# Altium PCB allaki_mezzanine.PcbDoc (part 2 of 3) (continued)
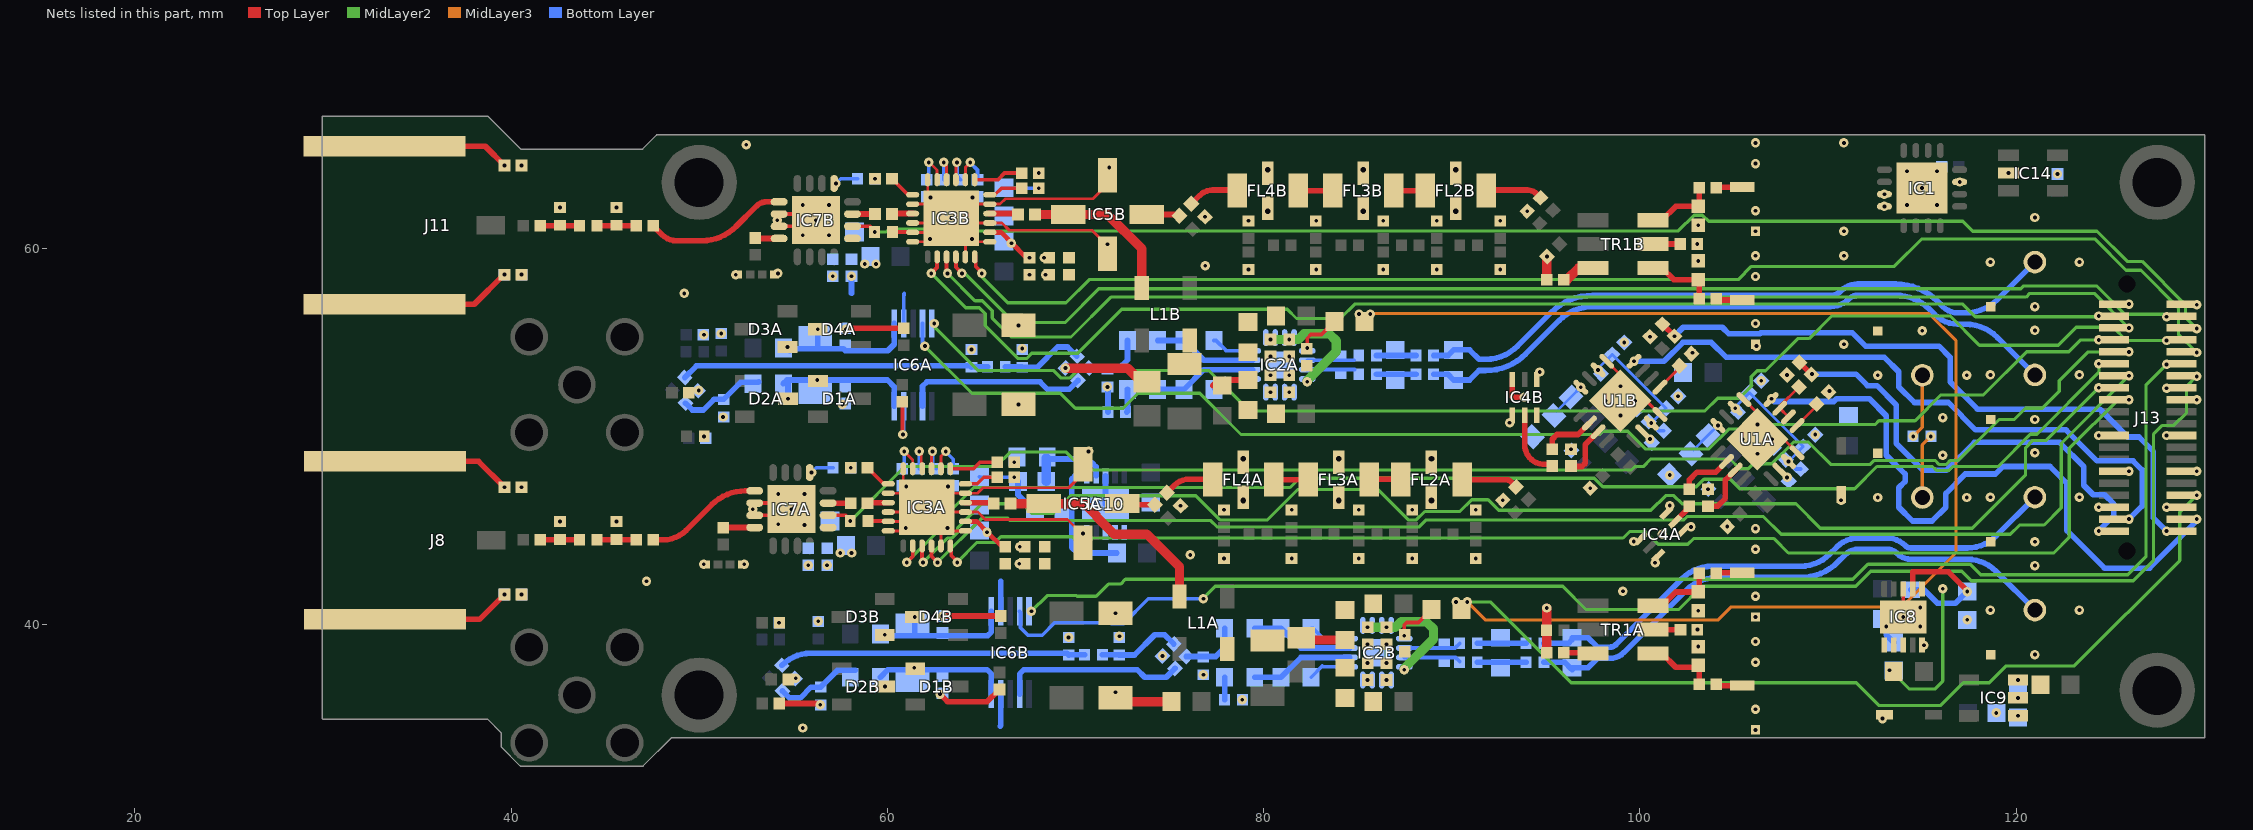
[diagram p6: the nets of this part, all layers, seen from the top]
## Part data (continued)
L1A L1B: library part IND_MINI-CIRCUITS_TCCH-80+, "50 Ohms, 50 to 8200 MHz RF Choke", Manufacturer=MINI-CIRCUITS, Manufacturer Part Number=TCCH-80+, Power=200mA, Resistance=0.1R, Author="CERN DEM JLC", ComponentHeight=3.81mm, Component Type=Standard, CreateDate=2011-12-19, HelpURL=\\cern.ch\dfs\Applications\Altium\Datasheets\IND_MINI-CIRCUITS_TCCH-80+.pdf, LatestRevisionDate=2011-12-19, Mounted=Yes, Part Description="50 Ohms, 50 to 8200 MHz RF Choke", Part Number=IND_MINI-CIRCUITS_TCCH-80+, Pin Count=4, Sense=No, SMD=Yes, Socket=No, Status=None
L2A L2B L3A L3B L4 L5A L5B L6A L6B L7A L7B L8A L8B L9 L10: library part IND0603_TDK_MPZ1608R391A, "Inductor", Case=0603, Manufacturer=TDK, Manufacturer Part Number=MPZ1608R391A, Power=1.2A, Resistance=0.12R, Tolerance=±25%, Author="CERN DEM JLC", ComponentHeight=0.95mm, Component Type=Standard, CreateDate=2009-12-02, HelpURL=\\cern.ch\dfs\Applications\Altium\Datasheets\IND0603_TDK_MPZ1608.pdf, LatestRevisionDate=2009-12-02, Mounted=Yes, Part Description="SMT Chip Bead for Power Line", Part Number=IND0603_TDK_MPZ1608R391A, Pin Count=2, Sense=No, SMD=Yes, Socket=No, Status=None
R1A R1B R9A R9B R13A R13B R22A R22B: library part R0603_698R_0.1%_0.063W_10PPM, "Resistor - 0.1%", Case=0603, Manufacturer=GENERIC, Manufacturer1 ComponentHeight=0.5mm, Manufacturer1 Example="TYCO HOLSWORTHY", Manufacturer1 Part Number=RN73C1J698RBTDF, Power=0.063W, Tolerance=±0.1%, Author="CERN DEM JLC", Component Type=Standard, CreateDate=2007-12-03, HelpURL=\\cern.ch\dfs\Applications\Altium\Datasheets\R0603_Tyco_RN73.pdf, LatestRevisionDate=2008-03-13, Manufacturer Part Number=R0603_698R_0.1%_0.063W_10PPM, Mounted=Yes, Part Description="Thin Film Chip Resistor", Part Number=R0603_698R_0.1%_0.063W_10PPM, Pin Count=2, Sense=No, SMD=Yes, Socket=No, Status="Not recommended", TC=±10ppm
R2A R2B R3A R3B R4A R4B R6A R6B R7A R7B R8A R8B R10A R10B R11A R11B R12A R12B R14A R14B R15A R15B R21A R21B R24A R24B R35A R35B R38A R38B R43A R43B R44A R44B R45A R45B R46A R46B R47A R47B R48A R48B R49A R49B R50A R50B R51A R51B R52A R52B R53A R53B R54A R54B R55A R55B R56A R56B R57A R57B R58A R58B R59A R59B R65A R65B R66A R66B R67A R67B: library part R0402_0R_JUMPER, "Resistor", Case=0402, Manufacturer=GENERIC, Manufacturer1 ComponentHeight=0.4mm, Manufacturer1 Example="YAGEO PHYCOMP", Manufacturer1 Part Number=232270591001L, Author="CERN DEM JLC", Component Type=Standard, CreateDate=2007-12-03, HelpURL=\\cern.ch\dfs\Applications\Altium\Datasheets\R0402_Phycomp_RC0402.pdf, LatestRevisionDate=2012-10-17, Manufacturer Part Number=R0402_0R_JUMPER, Part Description="1A (0.05R Max DC Resistance) Zero Ohm Jumper", Part Number=R0402_0R_JUMPER, Pin Count=2, Sense=No, SMD=Yes, Socket=No, Status="Not recommended"
  R2A R2B R7A R7B R10A R10B R21A R21B R24A R24B R35A R35B R38A R38B R48A R48B R49A R49B R50A R50B R51A R51B R57A R57B R58A R58B R59A R59B R65A R65B R66A R66B R67A R67B: Mounted=Yes
  R3A R3B R4A R4B R6A R6B R8A R8B R11A R11B R12A R12B R14A R14B R15A R15B R43A R43B R44A R44B R45A R45B R46A R46B R47A R47B R52A R52B R53A R53B R54A R54B R55A R55B R56A R56B: Mounted=DNP
R5A R5B: library part R1206_100R_1%_0.25W_100PPM, "Resistor - 1%", Case=1206, Manufacturer=GENERIC, Manufacturer1 ComponentHeight=0.65mm, Manufacturer1 Example="NIC COMPONENT", Manufacturer1 Part Number=NRC12F4700TRF, Power=0.25W, Tolerance=±1%, Author="CERN DEM JLC", Component Type=Standard, CreateDate=2007-12-03, HelpURL=\\cern.ch\dfs\Applications\Altium\Datasheets\R1206_NIC_NRC.pdf, LatestRevisionDate=2008-03-13, Manufacturer Part Number=R1206_100R_1%_0.25W_100PPM, Mounted=Yes, Part Description="General Purpose Thick Film Chip Resistor", Part Number=R1206_100R_1%_0.25W_100PPM, Pin Count=2, Sense=No, SMD=Yes, Socket=No, Status=Preferred, TC=±100ppm/°C
R16A R16B: library part R0402_56R_1%_0.0625W_100PPM, "Resistor - 1%", Case=0402, Manufacturer=GENERIC, Manufacturer1 ComponentHeight=0.4mm, Manufacturer1 Example="YAGEO PHYCOMP", Manufacturer1 Part Number=232270675609L, Power=0.0625W, Tolerance=±1%, Author="CERN DEM JLC", Component Type=Standard, CreateDate=03.12.2007, HelpURL=\\cern.ch\dfs\Applications\Altium\Datasheets\R0402_Phycomp_RC0402.pdf, LatestRevisionDate=17.10.2012, Manufacturer Part Number=R0402_56R_1%_0.0625W_100PPM, Mounted=DNP, Part Description="General Purpose Thick Film Chip Resistor", Part Number=R0402_56R_1%_0.0625W_100PPM, Pin Count=2, Sense=No, SMD=Yes, Socket=No, Status="Not recommended", TC=±100ppm/°C
R17: library part R0402_100R_1%_0.0625W_100PPM, "Resistor - 1%", Case=0402, Manufacturer=GENERIC, Manufacturer1 ComponentHeight=0.4mm, Manufacturer1 Example="YAGEO PHYCOMP", Manufacturer1 Part Number=232270671001L, Power=0.0625W, Tolerance=±1%, Author="CERN DEM JLC", Component Type=Standard, CreateDate=03.12.2007, HelpURL=\\cern.ch\dfs\Applications\Altium\Datasheets\R0402_Phycomp_RC0402.pdf, LatestRevisionDate=17.10.2012, Manufacturer Part Number=R0402_100R_1%_0.0625W_100PPM, Mounted=Yes, Part Description="General Purpose Thick Film Chip Resistor", Part Number=R0402_100R_1%_0.0625W_100PPM, Pin Count=2, Sense=No, SMD=Yes, Socket=No, Status="Not recommended", TC=±100ppm/°C
R18A R18B R19A R19B: library part R0201_100R_1%_0.05W_200PPM, "Resistor - 1%", Case=0201, Manufacturer=GENERIC, Manufacturer1 ComponentHeight=0.27mm, Manufacturer1 Example=VISHAY, Manufacturer1 Part Number=CRCW0201100RFNED, Power=0.05W, Tolerance=±1%, Author="CERN DEM JLC", Component Type=Standard, CreateDate=2014-11-13, HelpURL="\\cern.ch\dfs\Applications\Altium\Datasheets\R0201_VISHAY_CRCW e3.pdf", LatestRevisionDate=2014-11-13, Manufacturer Part Number=R0201_100R_1%_0.05W_200PPM, Mounted=Yes, Part Description="Thick Film Chip Resistor", Part Number=R0201_100R_1%_0.05W_200PPM, Pin Count=2, Sense=No, SMD=Yes, Socket=No, Status="Not recommended", TC=±200ppm/°C
R20A R20B R23A R23B: library part R0402_4K7_1%_0.0625W_100PPM, "Resistor - 1%", Case=0402, Manufacturer=GENERIC, Manufacturer1 ComponentHeight=0.4mm, Manufacturer1 Example="YAGEO PHYCOMP", Manufacturer1 Part Number=232270674702L, Power=0.0625W, Tolerance=±1%, Author="CERN DEM JLC", Component Type=Standard, CreateDate=2007-12-03, HelpURL=\\cern.ch\dfs\Applications\Altium\Datasheets\R0402_Phycomp_RC0402.pdf, LatestRevisionDate=2012-10-17, Manufacturer Part Number=R0402_4K7_1%_0.0625W_100PPM, Mounted=Yes, Part Description="General Purpose Thick Film Chip Resistor", Part Number=R0402_4K7_1%_0.0625W_100PPM, Pin Count=2, Sense=No, SMD=Yes, Socket=No, Status="Not recommended", TC=±100ppm/°C
R25A R25B: library part R0603_1K4_0.1%_0.063W_10PPM, "Resistor - 0.1%", Case=0603, Manufacturer=GENERIC, Manufacturer1 ComponentHeight=0.5mm, Manufacturer1 Example="TYCO HOLSWORTHY", Manufacturer1 Part Number=RN73C1J1K4BTDF, Power=0.063W, Tolerance=±0.1%, Author="CERN DEM JLC", Component Type=Standard, CreateDate=2007-12-03, HelpURL=\\cern.ch\dfs\Applications\Altium\Datasheets\R0603_Tyco_RN73.pdf, LatestRevisionDate=2008-03-13, Manufacturer Part Number=R0603_1K4_0.1%_0.063W_10PPM, Mounted=Yes, Part Description="Thin Film Chip Resistor", Part Number=R0603_1K4_0.1%_0.063W_10PPM, Pin Count=2, Sense=No, SMD=Yes, Socket=No, Status="Not recommended", TC=±10ppm
R26A R26B R27A R27B R31A R31B R41A R41B: library part R0402_1K_1%_0.0625W_100PPM, "Resistor - 1%", Case=0402, Manufacturer=GENERIC, Manufacturer1 ComponentHeight=0.4mm, Manufacturer1 Example="YAGEO PHYCOMP", Manufacturer1 Part Number=232270671002L, Power=0.0625W, Tolerance=±1%, Author="CERN DEM JLC", Component Type=Standard, CreateDate=2007-12-03, HelpURL=\\cern.ch\dfs\Applications\Altium\Datasheets\R0402_Phycomp_RC0402.pdf, LatestRevisionDate=2012-10-17, Manufacturer Part Number=R0402_1K_1%_0.0625W_100PPM, Mounted=Yes, Part Description="General Purpose Thick Film Chip Resistor", Part Number=R0402_1K_1%_0.0625W_100PPM, Pin Count=2, Sense=No, SMD=Yes, Socket=No, Status="Not recommended", TC=±100ppm/°C
R28A R28B: library part R0603_845R_0.1%_0.063W_10PPM, "Resistor - 0.1%", Case=0603, Manufacturer=GENERIC, Manufacturer1 ComponentHeight=0.5mm, Manufacturer1 Example="TYCO HOLSWORTHY", Manufacturer1 Part Number=RN73C1J845RBTDF, Power=0.063W, Tolerance=±0.1%, Author="CERN DEM JLC", Component Type=Standard, CreateDate=2007-12-03, HelpURL=\\cern.ch\dfs\Applications\Altium\Datasheets\R0603_Tyco_RN73.pdf, LatestRevisionDate=2008-03-13, Manufacturer Part Number=R0603_845R_0.1%_0.063W_10PPM, Mounted=Yes, Part Description="Thin Film Chip Resistor", Part Number=R0603_845R_0.1%_0.063W_10PPM, Pin Count=2, Sense=No, SMD=Yes, Socket=No, Status="Not recommended", TC=±10ppm
R29A R29B: library part R0603_3K24_0.1%_0.063W_10PPM, "Resistor - 0.1%", Case=0603, Manufacturer=GENERIC, Manufacturer1 ComponentHeight=0.5mm, Manufacturer1 Example="TYCO HOLSWORTHY", Manufacturer1 Part Number=RN73C1J3K24BTDF, Power=0.063W, Tolerance=±0.1%, Author="CERN DEM JLC", Component Type=Standard, CreateDate=2007-12-03, HelpURL=\\cern.ch\dfs\Applications\Altium\Datasheets\R0603_Tyco_RN73.pdf, LatestRevisionDate=2008-03-13, Manufacturer Part Number=R0603_3K24_0.1%_0.063W_10PPM, Mounted=Yes, Part Description="Thin Film Chip Resistor", Part Number=R0603_3K24_0.1%_0.063W_10PPM, Pin Count=2, Sense=No, SMD=Yes, Socket=No, Status="Not recommended", TC=±10ppm
R30A R30B: library part R0402_13K_1%_0.0625W_100PPM, "Resistor - 1%", Case=0402, Manufacturer=GENERIC, Manufacturer1 ComponentHeight=0.4mm, Manufacturer1 Example="YAGEO PHYCOMP", Manufacturer1 Part Number=232270671303L, Power=0.0625W, Tolerance=±1%, Author="CERN DEM JLC", Component Type=Standard, CreateDate=2007-12-03, HelpURL=\\cern.ch\dfs\Applications\Altium\Datasheets\R0402_Phycomp_RC0402.pdf, LatestRevisionDate=2012-10-17, Manufacturer Part Number=R0402_13K_1%_0.0625W_100PPM, Mounted=Yes, Part Description="General Purpose Thick Film Chip Resistor", Part Number=R0402_13K_1%_0.0625W_100PPM, Pin Count=2, Sense=No, SMD=Yes, Socket=No, Status="Not recommended", TC=±100ppm/°C
R32A R32B: library part R0402_10K_1%_0.0625W_100PPM, "Resistor - 1%", Case=0402, Manufacturer=GENERIC, Manufacturer1 ComponentHeight=0.4mm, Manufacturer1 Example="YAGEO PHYCOMP", Manufacturer1 Part Number=232270671003L, Power=0.0625W, Tolerance=±1%, Author="CERN DEM JLC", Component Type=Standard, CreateDate=2007-12-03, HelpURL=\\cern.ch\dfs\Applications\Altium\Datasheets\R0402_Phycomp_RC0402.pdf, LatestRevisionDate=2012-10-17, Manufacturer Part Number=R0402_10K_1%_0.0625W_100PPM, Mounted=Yes, Part Description="General Purpose Thick Film Chip Resistor", Part Number=R0402_10K_1%_0.0625W_100PPM, Pin Count=2, Sense=No, SMD=Yes, Socket=No, Status="Not recommended", TC=±100ppm/°C
R33A R33B R36A R36B: library part R0603_1K5_0.1%_0.063W_10PPM, "Resistor - 0.1%", Case=0603, Manufacturer=GENERIC, Manufacturer1 ComponentHeight=0.5mm, Manufacturer1 Example="TYCO HOLSWORTHY", Manufacturer1 Part Number=RN73C1J1K5BTDF, Power=0.063W, Tolerance=±0.1%, Author="CERN DEM JLC", Component Type=Standard, CreateDate=2007-12-03, HelpURL=\\cern.ch\dfs\Applications\Altium\Datasheets\R0603_Tyco_RN73.pdf, LatestRevisionDate=2008-03-13, Manufacturer Part Number=R0603_1K5_0.1%_0.063W_10PPM, Mounted=Yes, Part Description="Thin Film Chip Resistor", Part Number=R0603_1K5_0.1%_0.063W_10PPM, Pin Count=2, Sense=No, SMD=Yes, Socket=No, Status="Not recommended", TC=±10ppm
R34A R34B R37A R37B: library part R0402_100K_0.1%_0.063W_25PPM, "Resistor - 0.1%", Case=0402, Manufacturer=GENERIC, Manufacturer1 ComponentHeight=0.35mm, Manufacturer1 Example="TE CONNECTIVITY", Manufacturer1 Part Number=CPF0402B100KE1, Power=0.063W, Tolerance=±0.1%, Author="CERN DEM JMW", Component Type=Standard, CreateDate=2015-09-22, HelpURL=\\cern.ch\dfs\Applications\Altium\Datasheets\R0402_TYCO_CPF.pdf, LatestRevisionDate=2015-09-22, Manufacturer Part Number=R0402_100K_0.1%_0.063W_25PPM, Mounted=Yes, Part Description="Thin Film Precision Resistor", Part Number=R0402_100K_0.1%_0.063W_25PPM, Pin Count=2, Sense=No, SMD=Yes, Socket=No, Status="Not Recommended", TC=±25ppm/°C
R39: library part R0603_49K9_0.1%_0.063W_10PPM, "Resistor - 0.1%", Case=0603, Manufacturer=GENERIC, Manufacturer1 ComponentHeight=0.5mm, Manufacturer1 Example="TYCO HOLSWORTHY", Manufacturer1 Part Number=RN73C1J49K9BTDF, Power=0.063W, Tolerance=±0.1%, Author="CERN DEM JLC", Component Type=Standard, CreateDate=2007-12-03, HelpURL=\\cern.ch\dfs\Applications\Altium\Datasheets\R0603_Tyco_RN73.pdf, LatestRevisionDate=2008-03-13, Manufacturer Part Number=R0603_49K9_0.1%_0.063W_10PPM, Mounted=Yes, Part Description="Thin Film Chip Resistor", Part Number=R0603_49K9_0.1%_0.063W_10PPM, Pin Count=2, Sense=No, SMD=Yes, Socket=No, Status="Not recommended", TC=±10ppm
R40A R40B R42A R42B: library part R0402_49R9_1%_0.0625W_100PPM, "Resistor - 1%", Case=0402, Manufacturer=GENERIC, Manufacturer1 ComponentHeight=0.4mm, Manufacturer1 Example="YAGEO PHYCOMP", Manufacturer1 Part Number="232270674999L or RC0402FR-0749R9L", Power=0.0625W, Tolerance=±1%, Author="CERN DEM JLC", Component Type=Standard, CreateDate=24.10.2012, HelpURL=\\cern.ch\dfs\Applications\Altium\Datasheets\R0402_Phycomp_RC0402.pdf, LatestRevisionDate=24.10.2012, Manufacturer Part Number=R0402_49R9_1%_0.0625W_100PPM, Mounted=Yes, Part Description="General Purpose Thick Film Chip Resistor", Part Number=R0402_49R9_1%_0.0625W_100PPM, Pin Count=2, Sense=No, SMD=Yes, Socket=No, Status="Not recommended", TC=±100ppm/°C
R60: library part R0603_115K_0.1%_0.063W_10PPM, "Resistor - 0.1%", Case=0603, Manufacturer=GENERIC, Manufacturer1 ComponentHeight=0.5mm, Manufacturer1 Example="TYCO HOLSWORTHY", Manufacturer1 Part Number=RN73C1J115KBTDF, Power=0.063W, Tolerance=±0.1%, Author="CERN DEM JLC", Component Type=Standard, CreateDate=2007-12-03, HelpURL=\\cern.ch\dfs\Applications\Altium\Datasheets\R0603_Tyco_RN73.pdf, LatestRevisionDate=2008-03-13, Manufacturer Part Number=R0603_115K_0.1%_0.063W_10PPM, Mounted=Yes, Part Description="Thin Film Chip Resistor", Part Number=R0603_115K_0.1%_0.063W_10PPM, Pin Count=2, Sense=No, SMD=Yes, Socket=No, Status="Not recommended", TC=±10ppm
R61 R62 R63 R64: library part R0402_100K_1%_0.0625W_100PPM, "Resistor - 1%", Case=0402, Manufacturer=GENERIC, Manufacturer1 ComponentHeight=0.4mm, Manufacturer1 Example="YAGEO PHYCOMP", Manufacturer1 Part Number=232270671004L, Power=0.0625W, Tolerance=±1%, Author="CERN DEM JLC", Component Type=Standard, CreateDate=2007-12-03, HelpURL=\\cern.ch\dfs\Applications\Altium\Datasheets\R0402_Phycomp_RC0402.pdf, LatestRevisionDate=2012-10-17, Manufacturer Part Number=R0402_100K_1%_0.0625W_100PPM, Mounted=Yes, Part Description="General Purpose Thick Film Chip Resistor", Part Number=R0402_100K_1%_0.0625W_100PPM, Pin Count=2, Sense=No, SMD=Yes, Socket=No, Status="Not recommended", TC=±100ppm/°C
R68A R68B: library part R0402_3K3_1%_0.0625W_100PPM, "Resistor - 1%", Case=0402, Manufacturer=GENERIC, Manufacturer1 ComponentHeight=0.4mm, Manufacturer1 Example="YAGEO PHYCOMP", Manufacturer1 Part Number=232270673302L, Power=0.0625W, Tolerance=±1%, Author="CERN DEM JLC", Component Type=Standard, CreateDate=2007-12-03, HelpURL=\\cern.ch\dfs\Applications\Altium\Datasheets\R0402_Phycomp_RC0402.pdf, LatestRevisionDate=2012-10-17, Manufacturer Part Number=R0402_3K3_1%_0.0625W_100PPM, Mounted=Yes, Part Description="General Purpose Thick Film Chip Resistor", Part Number=R0402_3K3_1%_0.0625W_100PPM, Pin Count=2, Sense=No, SMD=Yes, Socket=No, Status="Not recommended", TC=±100ppm/°C
TR1A TR1B: library part XFMR_MINI-CIRCUITS_TCM2-43X+, "50 OHMS 10 to 4000 MHz RF Transformer", Manufacturer=MINI-CIRCUITS, Manufacturer Part Number=TCM2-43X+, Power=0.4W, Author="CERN DEM BC", ComponentHeight=4.06mm, Component Type=Standard, CreateDate=2016-02-12, HelpURL=\\cern.ch\dfs\Applications\Altium\Datasheets\XFMR_MINI-CIRCUITS_TCM2-43X+.pdf, LatestRevisionDate=2016-02-12, Mounted=Yes, Part Description="50 Ohms 10 to 4000MHz RF Transformer", Part Number=XFMR_MINI-CIRCUITS_TCM2-43X+, Pin Count=6, Sense=No, SMD=Yes, Socket=No, Status=None
U1A U1B: library part CMP-0284-00043-1, "50 Hz to 6 GHz,50 dB TruPwr™ Detector, 3µs Response Time, CP-16-10, Pb-Free, 64 Tray", RF Frequency (MHz)=6GHz, Supply Current=60mA, Temp Stability (dB)=500mdB, Voltage Supply (V)="4.5 to 5.5", Code_JEDEC=MO-220-VGGC, ComponentLink1Description="Manufacturer URL", ComponentLink1URL=www.analog.com, ComponentLink2Description=Datasheet, ComponentLink2URL=http://www.analog.com/static/imported-files/data_sheets/AD8363.pdf, ComponentLink3Description="Package Specification", ComponentLink3URL=http://www.analog.com/static/imported-files/packages/PKG_PDF/LFCSP(CP)/CP_16_10.pdf, DatasheetVersion="Rev. A", Dynamic Range (dB)=50dB, Output Response="Linear in dB", PackageDescription="16-Lead Lead Frame Chip Scale Package [LFCSP_VQ]", PackageReference=CP-16-10, PackageVersion=010606-0, Product Description="125°C Operation, Broadband", Response Time (ns typ)=3µs

## Free pads (board coordinates)
  round 4 hole 2.6: 0(50,63.5) 0(127.5,63.5) 1(50,36.25) 1(127.5,36.5)

## Via types
v1: diameter 0.5, hole 0.2, Top Layer to Bottom Layer, 430 vias
v2: diameter 0.6, hole 0.3, Top Layer to Bottom Layer, 12 vias

## Nets (pads, with @x,y where several pads share a name; then routed paths per layer and width w, separated by ;. In a path a pad name is that pad's centre, name@x,y a point inside that pad or via, vN(x,y) a via of type N, cw(c..) or ccw(c..) an arc to the next point about the centre after c; other vN are vias at no path point)
ADC1_IN_N: C63A.1 J3.1 R42A.1 | length 35.1
  Bottom Layer w0.3: R42A.1@89.04,53.3 89.8,53.3 C63A.1@90.1,53 90.95,53 91.45,53.5 91.8,53.5 ccw(c91.8,56.514) 93.931,54.383 95.705,56.156 cw(c97.501,54.36) 97.501,56.9 110.134,56.9 ccw(c110.134,58.266) 111.1,57.3 cw(c111.583,56.817) 111.583,57.5 113.599,57.5 cw(c113.599,54.96) 115.395,56.756 115.676,56.476 ccw(c116.905,57.705) 116.905,55.967 117.3,55.967 cw(c117.3,53.552) 119.007,55.259 J3.1@121,53.267
ADC1_IN_P: C63A.2 J1.1 R40A.1 | length 35.1
  Bottom Layer w0.3: R40A.1@89.04,54.3 89.8,54.3 C63A.2@90.1,54.6 90.95,54.6 91.45,54.1 91.8,54.1 ccw(c91.8,56.514) 93.507,54.807 95.28,56.58 cw(c97.501,54.36) 97.501,57.5 110.134,57.5 ccw(c110.134,58.266) 110.676,57.724 cw(c111.583,56.817) 111.583,58.1 113.599,58.1 cw(c113.599,54.96) 115.82,57.18 116.1,56.9 ccw(c116.905,57.705) 116.905,56.567 117.3,56.567 ccw(c117.3,58.981) 119.007,57.274 J1.1@121,59.267
ADC2_IN_N: C63B.1 J6.1 R42B.1 | length 29.7
  Bottom Layer w0.3: R42B.1@94.9,38 96,38 96.35,37.65 C63B.1@96.4,37.6 ; C63B.1@96.4,37.7 97.25,37.7 97.75,38.2 98.4,38.2 ccw(c98.4,39.283) 99.166,38.517 102.476,41.827 cw(c104.1,40.203) 104.1,42.5 108.551,42.5 ccw(c108.551,45.273) 110.512,43.312 110.9,43.7 cw(c111.624,42.976) 111.624,44 113.134,44 cw(c113.134,43.234) 113.676,43.776 ccw(c114.422,44.522) 114.422,43.467 117.4,43.467 cw(c117.4,41.294) 118.936,42.83 J6.1@121,40.767
ADC2_IN_P: C63B.2 J4.1 R40B.1 | length 29.7
  Bottom Layer w0.3: R40B.1@94.9,39 96.2,39 C63B.2@96.4,39.2 ; C63B.2@96.4,39.3 97.25,39.3 97.75,38.8 98.4,38.8 ccw(c98.4,39.283) 98.741,38.941 102.227,42.427 cw(c103.851,40.803) 103.851,43.1 108.551,43.1 ccw(c108.551,45.273) 110.088,43.736 110.476,44.124 cw(c111.624,42.976) 111.624,44.6 113.134,44.6 cw(c113.134,43.234) 114.1,44.2 ccw(c114.422,44.522) 114.422,44.067 117.4,44.067 ccw(c117.4,46.239) 118.936,44.703 J4.1@121,46.767
ADC_CH0: J13.37 U1A.8 | length 34.6
  Bottom Layer w0.3: v1(107,52) 107.142,51.858 110.311,51.858 110.453,52 112.2,52 113.1,51.1 113.1,49 114.1,48 114.1,47.601 113.767,47.268 113.767,46.232 114.499,45.5 115.534,45.5 116.267,46.232 116.267,46.967 117.3,48 118.9,48 119.3,48.4 121.8,48.4 122.7,47.5 122.7,45 124.7,43 127.1,43 129.6,45.5 v1(129.6,45.603)
ADC_CH1: J13.38 U1B.8 | length 33.6
  Bottom Layer w0.3: v1(99.691,53.995) 101.285,53.995 102.29,54.999 103.799,54.999 104.598,54.2 113,54.2 113.767,53.433 113.767,52.633 114.6,51.8 116.4,51.8 117.852,50.348 122.652,50.348 124.3,48.7 126.223,48.7 126.7,48.223 126.7,46.303 v1(126,45.603) v1@126,45.638
ADC_CH2: J13.39 R26B.2 R27B.2 | length 34.6
  Top Layer w0.3: R27B.2@101.201,55.964 v1(101.838,55.327)
  Bottom Layer w0.3: v1(101.838,55.327) 102.31,55.8 104.38,55.8 104.732,55.448 106.379,55.448 106.431,55.5 111.3,55.5 112,54.8 115.9,54.8 116.5,54.2 116.5,52.9 117.948,51.452 124.448,51.452 125.935,49.965 126.535,49.965 127.3,49.2 127.3,45.668 v1(128,44.968)
ADC_CH3: J13.40 R26A.2 R27A.2 | length 24.7
  Top Layer w0.3: R27A.2@108.488,53.926 R26A.2@109.124,53.29
  Bottom Layer w0.3: v1(109.146,53.311) 111.485,53.311 112.098,52.698 112.602,52.698 113.63,51.67 113.63,49.627 115.057,48.2 116.3,48.2 117.785,49.685 122.315,49.685 123.6,48.4 123.6,47.4 124.1,46.9 124.7,46.9 125.2,46.4 125.2,45.8 124.4,45 v1(124.4,44.968) v1@124.296,44.968
ADC_VCM: J13.33 L2A.1 L2B.1 | length 118.1
  MidLayer2 w0.17: v1(90.83,41.2) 92.057,41.2 96.357,36.9 111.5,36.9 112.7,35.7 116,35.7 117.2,36.9 118.579,36.9 119.479,37.8 123.1,37.8 128.7,43.4 128.7,45.973 v1(129.6,46.873)
  MidLayer3 w0.17: v1(85.67,56.5) 85.705,56.535 115.365,56.535 116.8,55.1 116.8,43.8 113.935,40.935 104.858,40.935 104.166,40.243 91.787,40.243 v1(90.83,41.2)
  other v1: 90.23,41.2 85.07,56.5
ATT1_CTRL.CLK: IC3A.21 J13.16 | length 73
  Top Layer w0.2: IC3A.21@61.85,44.18 61.85,43.35 v1(61.9,43.3)
  MidLayer2 w0.17: v1(61.9,43.3) 63.195,44.595 63.421,44.595 63.735,44.908 63.735,45.135 65.018,46.418 67.183,46.418 67.705,45.895 68.787,45.895 69.735,46.844 76.395,46.844 77.678,45.56 80.208,45.56 81.828,47.18 86.061,47.18 87.681,45.56 88.124,45.56 88.574,46.01 90.436,46.01 91.056,46.63 91.936,46.63 92.493,46.074 100.586,46.074 101.367,46.855 101.811,46.855 102.248,46.418 108.3,46.418 109.596,45.122 117.678,45.122 120.507,47.952 120.507,49.407 120.888,49.788 121.6,49.788 v1(124.4,52.588)
ATT1_CTRL.LE: IC3A.22 J13.14 | length 71.6
  Top Layer w0.2: IC3A.22@62.35,44.18 62.35,43.628 62.668,43.31 v1(62.668,43.3)
  MidLayer2 w0.17: v1(62.668,43.3) 65.018,45.65 66.4,45.65 66.525,45.525 77.19,45.525 77.525,45.19 88.278,45.19 88.648,45.56 102.335,45.56 102.518,45.743 106.567,45.743 107.51,44.8 119.7,44.8 120.188,45.288 121.488,45.288 122.4,46.2 122.4,49.623 v1(126,53.223)
ATT1_CTRL.RST: IC3A.20 J13.12 | length 70.2
  Top Layer w0.2: v1(61.032,43.3) 61.35,43.618 IC3A.20@61.35,44.18
  MidLayer2 w0.17: v1(61.032,43.3) 62.665,44.932 62.665,45.352 64.599,47.285 81.41,47.285 81.905,47.78 97.583,47.78 98.038,47.325 103.009,47.325 103.404,47.72 104.802,47.72 105.307,47.215 111.415,47.215 112.6,48.4 115.556,48.4 115.765,48.191 116.435,48.191 116.644,48.4 119.045,48.4 120.754,50.11 121.11,50.11 124.4,53.4 v1(124.4,53.858)
ATT1_CTRL.S_IN: IC3A.24 J13.18 | length 71.2
  Top Layer w0.2: IC3A.24@63.4,44.23 63.4,44.18 63.4,43.668 v1@63.718,43.35
  MidLayer2 w0.17: v1(63.718,43.3) 63.718,43.318 64.765,44.365 65.739,44.365 66.039,44.665 69.823,44.665 70.178,44.31 70.622,44.31 70.912,44.6 99.112,44.6 99.458,44.946 100.297,44.946 100.978,44.265 102.553,44.265 102.853,44.565 107.135,44.565 107.9,43.8 122,43.8 122.832,44.632 122.832,49.361 125.423,51.953 v1(126,51.953)
ATT2_CTRL.CLK: IC3B.21 J13.6 | length 67.1
  Top Layer w0.2: IC3B.21@63.147,59.545 63.147,58.715 v1(63.197,58.665)
  MidLayer2 w0.17: v1(63.197,58.665) 64.657,57.205 65.045,57.205 65.575,56.675 65.575,56.287 66.58,55.282 69.763,55.282 71.886,57.405 120.535,57.405 120.73,57.6 124.153,57.6 125.99,55.763 v1(126,55.763)
ATT2_CTRL.LE: IC3B.22 J13.3 | length 67.6
  Top Layer w0.2: IC3B.22@63.647,59.545 63.647,58.993 63.965,58.675 v1(63.965,58.665)
  MidLayer2 w0.17: v1(63.965,58.665) 64.108,58.665 66.338,56.435 67.192,56.435 67.577,56.05 69.445,56.05 71.242,57.848 120.248,57.848 120.4,58 124.276,58 125.778,56.498 127.867,56.498 v1(128,56.365)
ATT2_CTRL.RST: IC3B.20 J13.4 | length 67.2
  Top Layer w0.2: v1(62.33,58.665) 62.647,58.983 IC3B.20@62.647,59.545
  MidLayer2 w0.17: v1(62.33,58.665) 64.16,56.835 64.892,56.835 65.205,56.522 65.205,55.886 66.955,54.136 67.398,54.136 67.676,54.415 70.122,54.415 72.463,56.755 81.258,56.755 81.748,56.265 84.078,56.265 84.848,57.035 117.165,57.035 117.835,56.365 124.367,56.365 v1(124.4,56.398)
ATT2_CTRL.S_IN: IC3B.24 J13.9 | length 71.1
  Top Layer w0.2: IC3B.24@64.697,59.595 64.697,59.545 64.697,59.033 v1@65.015,58.715
  MidLayer2 w0.17: v1(65.015,58.665) 65.015,58.491 66.406,57.1 69.5,57.1 70.735,58.335 105.229,58.335 105.928,59.035 113.535,59.035 115,60.5 124.177,60.5 125.842,58.835 126.642,58.835 128.63,56.847 128.63,55.43 v1(129.6,54.46)
DAC1_OUT_N: C46A.1 J9.1 | length 1.5
  Top Layer w0.3: C46A.1@104,42.75 104.06,42.75 J9.1@105.45,42.75
DAC1_OUT_P: C37A.1 J7.1 | length 1.4
  Top Layer w0.3: C37A.1@104,36.75 104.06,36.75 J7.1@105.45,36.75
DAC2_OUT_N: C46B.1 J12.1 | length 1.4
  Top Layer w0.3: C46B.1@104.057,63.225 104.082,63.25 J12.1@105.45,63.25
DAC2_OUT_P: C37B.1 J10.1 | length 1.4
  Top Layer w0.3: C37B.1@104.057,57.325 104.132,57.25 J10.1@105.45,57.25
GND: C1A.1 C1B.1 C2A.1 C2B.1 C3A.1 C3B.1 C5A.1 C5B.1 C6A.1 C6B.1 C7A.1 C7B.1 C8A.1 C8B.1 C9A.1 C9B.1 C10.2 C11.1 C12A.1 C12B.1 C13A.1 C13B.1 C14A.1 C14B.1 C15A.1 C15B.1 C16A.1 C16B.1 C17A.1 C17B.1 C18A.1 C18B.1 C19A.1 C19B.1 C20A.1 C20B.1 C21A.1 C21B.1 C22A.1 C22B.1 C23A.1 C23B.1 C24A.1 C24B.1 C25.1 C26.1 C27.1 C30A.1 C30B.1 C32.2 C33A.1 C33B.1 C34A.2 C34B.2 C35A.1 C35B.1 C38A.2 C38B.2 C39A.1 C39B.1 C40A.1 C40B.1 C41A.1 C41B.1 C42A.1 C42B.1 C43.1 C44A.1 C44B.1 C45A.2 C45B.2 C48A.2 C48B.2 C51.1 C52.1 C53.1 C54.1 C55A.1 C55B.1 C57A.2 C57B.2 C59A.1 C59B.1 C60A.1 C60B.1 C61A.2 C61B.2 C62A.2 C62B.2 C64.2 C65.1 C66.2 C67.1 C68.1 C69.1 C70.1 C71.1 C72.1 D5.2 D6.1 FL2A.2 FL2A.4 FL2B.2 FL2B.4 FL3A.2 FL3A.4 FL3B.2 FL3B.4 FL4A.2 FL4A.4 FL4B.2 FL4B.4 IC1.3 IC1.4 IC1.11 IC1.17 IC2A.17 IC2B.17 IC3A.1 IC3A.3 IC3A.5 IC3A.12 IC3A.14 IC3A.16 IC3A.17 IC3A.18 IC3A.23 IC3A.25 IC3B.1 IC3B.3 IC3B.5 IC3B.12 IC3B.14 IC3B.16 IC3B.17 IC3B.18 IC3B.23 IC3B.25 IC4A.1 IC4A.3 IC4A.4 IC4A.6 IC4A.7 IC4B.1 IC4B.3 IC4B.4 IC4B.6 IC4B.7 IC5A.2 IC5A.4 IC5B.2 IC5B.4 IC6A.2 IC6A.9 IC6B.2 IC6B.9 IC7A.10 IC7A.11 IC7A.17 IC7B.10 IC7B.11 IC7B.17 IC8.5 IC8.8 IC8.11 IC9.1 IC10.5 IC10.8 IC10.11 IC14.2 J1.2 J3.2 J4.2 J6.2 J7.2 J9.2 J10.2 J12.2 J13.1 J13.2 J13.23 J13.24 J13.29 J13.30 J13.35 J13.36 J14.2 J15.2 R3A.1 R3B.1 R4A.1 R4B.1 R11A.2 R11B.2 R12A.2 R12B.2 R14A.1 R14B.1 R15A.1 R15B.1 R16A.1 R16B.1 R18A.1 R18B.1 R19A.1 R19B.1 R20A.1 R20B.1 R23A.1 R23B.1 R24A.1 R24B.1 R25A.2 R25B.2 R27A.1 R27B.1 R31A.1 R31B.1 R32A.1 R32B.1 R34A.1 R34B.1 R37A.1 R37B.1 R38A.2 R38B.2 R39.1 R43A.1 R43B.1 R44A.1 R44B.1 R45A.1 R45B.1 R46A.1 R46B.1 R47A.1 R47B.1 R52A.1 R52B.1 R53A.1 R53B.1 R54A.1 R54B.1 R55A.1 R55B.1 R56A.1 R56B.1 R57A.2 R57B.2 R58A.2 R58B.2 R60.1 R61.1 R62.1 R63.1 R64.1 R66A.1 R66B.1 R67A.1 R67B.1 U1A.4 U1A.9 U1A.17 U1B.4 U1B.9 U1B.17 | length 134.7